# Altium PCB PROC114E3_BRD.PcbDoc (part 3 of 18) (continued)
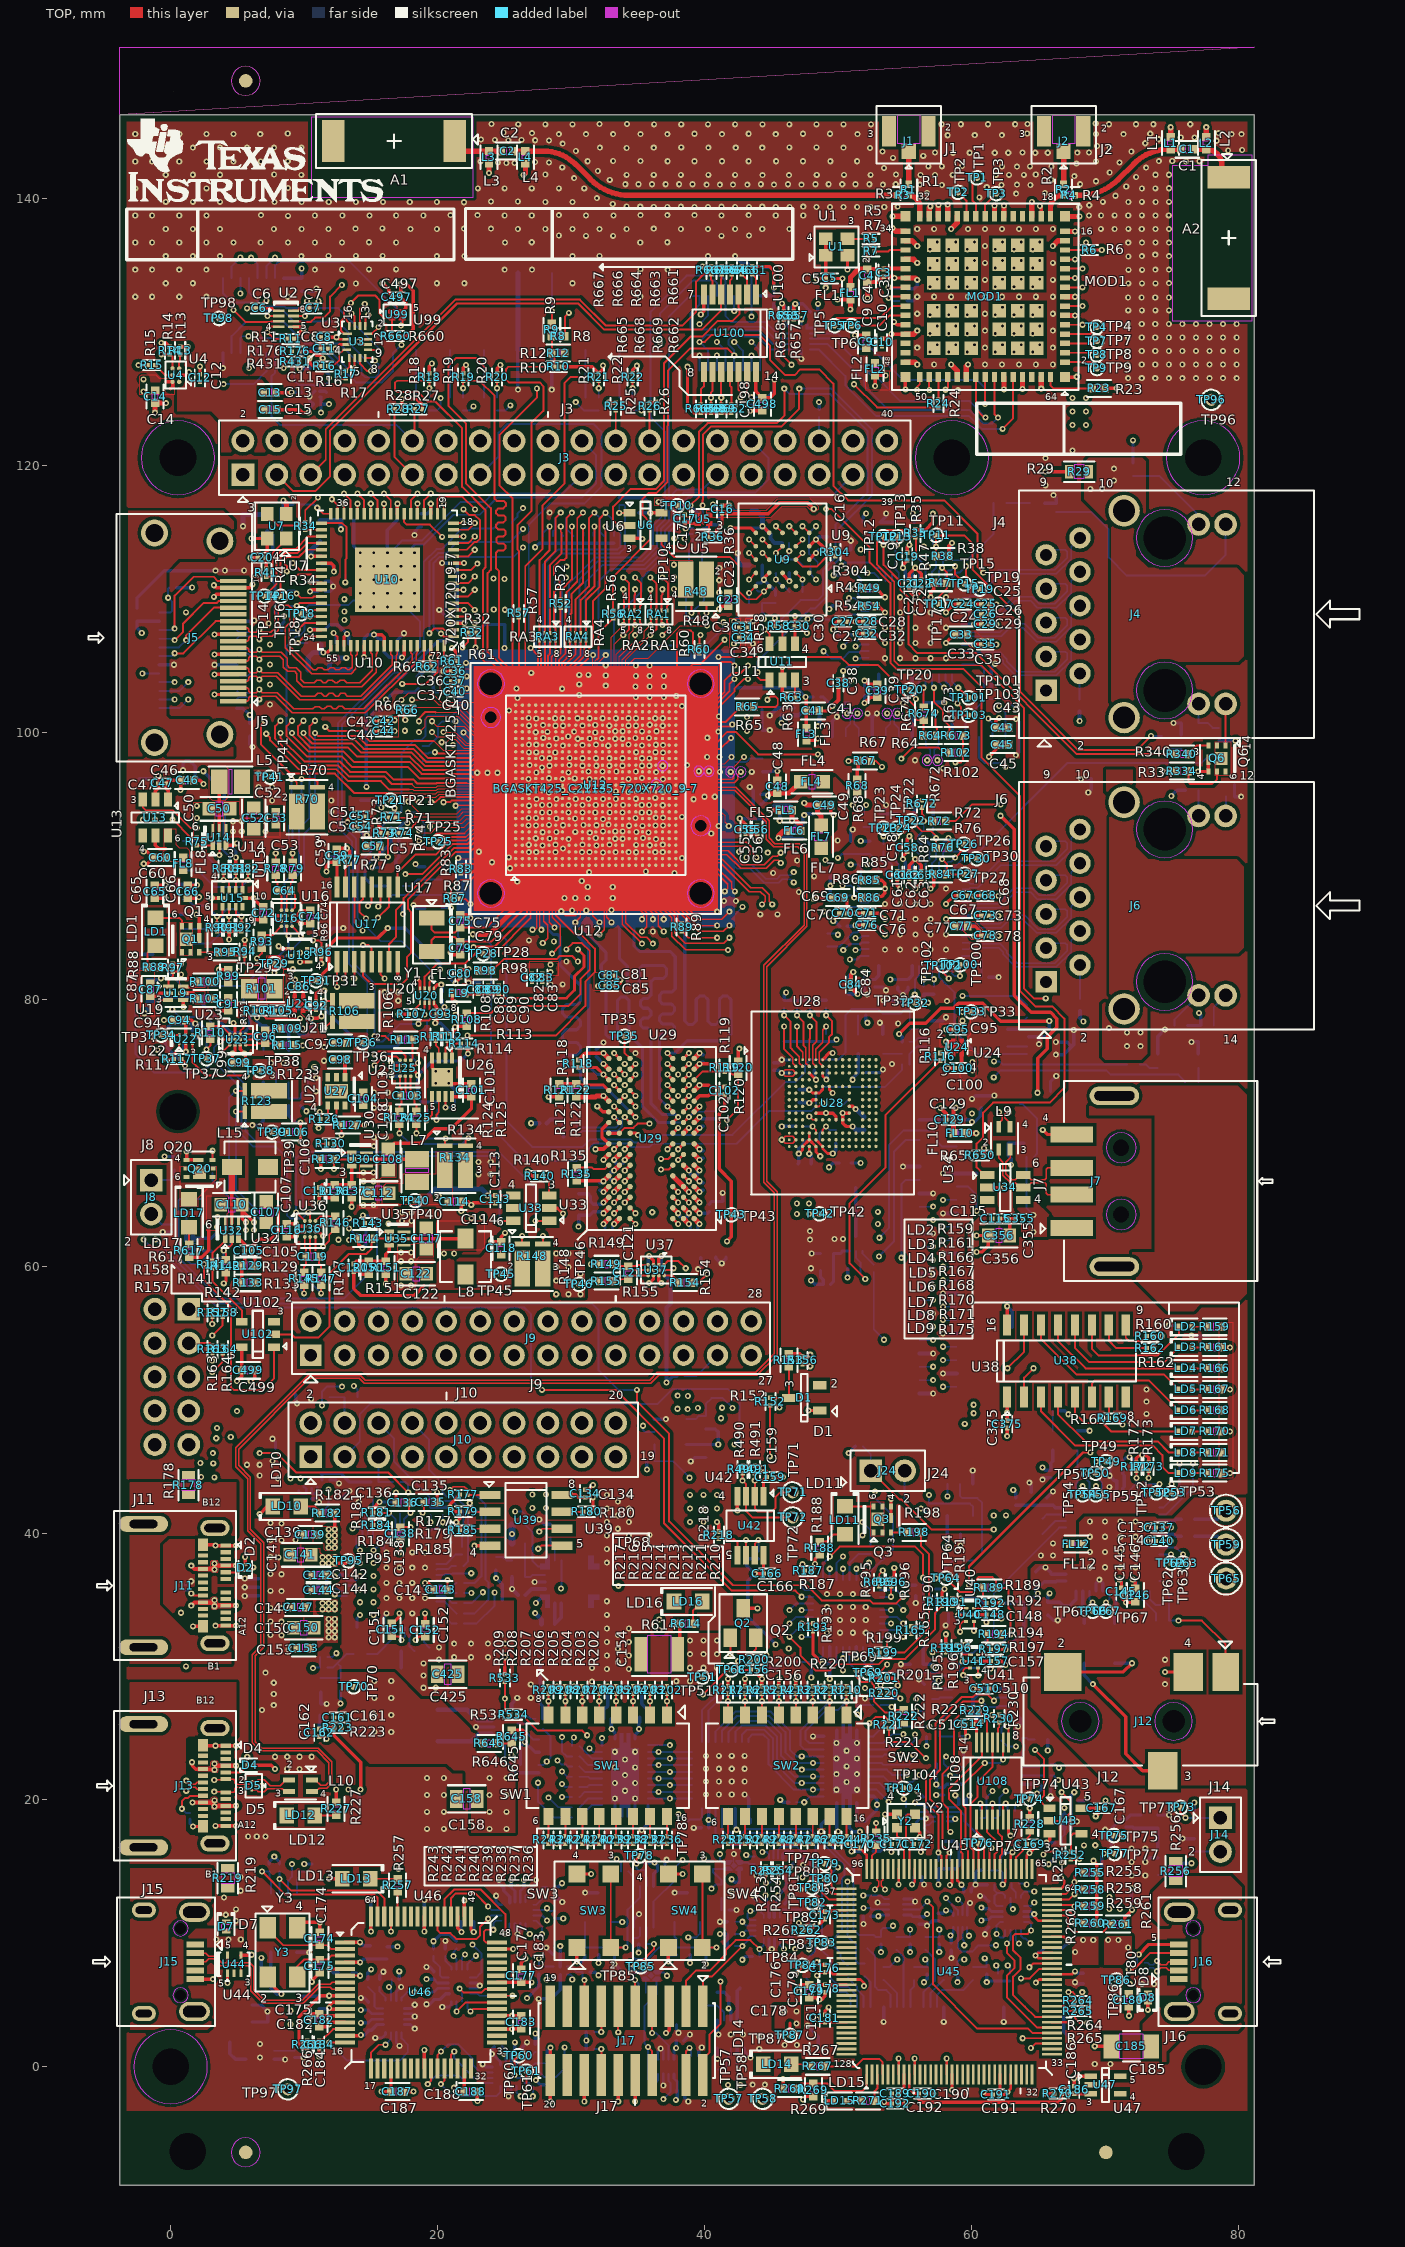
[diagram p0: TOP view]
## Footprints (in the part's own frame and the unit in brackets; to place one, negate y for a bottom-side part, rotate by r counter-clockwise, add the part's x,y. Pads: shape width x height; smd on the part's side, far side on the other; paste and mask are expansions set on the pad) (continued)
  silkscreen extent -280,-265 265,265, body extent -255,-255 255,255, height 150
BGASKT425_C21135_720X720_9-7 [mil] "BGASKT425_C21135_720X720_9-7"
  round 61 hole 66 unplated: ""(-309.55,-309.55) ""(-309.55,309.55) ""(309.55,-309.55) ""(309.55,309.55)
  round 29 hole 34 unplated: ""(-109.55,-309.55) ""(209.55,309.55)
  TOP region: -360,360 -360,-360 360,-360 360,360
  BOTTOM region: -410,410 -410,-410 410,-410 410,410
  silkscreen extent -370,-370 370,370, body extent -410,-410 410,410, height 150
CAP0201_0-5#1 [mil] "CAP0201_0-5"
  rect 14x13 smd: 1(-11.02,0) 2(11.02,0)
  silkscreen extent -25,-15 25,15
CAP0201_0-5#2 [mil] "CAP0201_0-5"
  rect 14x13 smd: 1(11.02,0) 2(-11.02,0)
  silkscreen extent -25,-15 25,15, body extent -10,-5 10,5, height 150
CAP0201_0-5#3 [mil] "CAP0201_0-5"
  oct 1x1 smd rot 45: 1(-11.02,0) 2(11.02,0)
  TOP region: 18.02,6.51 4.02,6.51 4.02,-6.51 18.02,-6.51
  TOP region: -4.02,6.51 -18.02,6.51 -18.02,-6.51 -4.02,-6.51
  silkscreen extent -25,-15 25,15, body extent -10,-5 10,5, height 150
CAP0201_0-5#4 [mil] "CAP0201_0-5"
  oct 1x1 smd rot 135: 1(-11.02,0) 2(11.02,0)
  TOP region: -4.02,6.51 -18.02,6.51 -18.02,-6.51 -4.02,-6.51
  TOP region: 18.02,6.51 4.02,6.51 4.02,-6.51 18.02,-6.51
  silkscreen extent -25,-15 25,15, body extent -10,-5 10,5, height 150
CAP0402_0-75#1 [mil] "CAP0402_0-75"
  rect 22x25 smd: 1(-19.29,0) 2(19.29,0)
  TOP keep-out region: -5,10 -5,-10 5,-10 5,10
  silkscreen extent -35,-25 35,25, body extent -20,-10 20,10, height 150
CAP0402_0-75#2 [mil] "CAP0402_0-75"
  rect 22x25 smd: 1(19.29,0) 2(-19.29,0)
  TOP keep-out region: 5,-10 5,10 -5,10 -5,-10
  silkscreen extent -35,-25 35,25, body extent -20,-10 20,10, height 150
CAP0603_1#1 [mil] "CAP0603_1"
  rect 37x40 smd: 1(-31.5,0) 2(31.5,0)
  TOP keep-out region: 10,-20 10,20 -10,20 -10,-20
  silkscreen extent -55,-35 55,35, body extent -35,-20 35,20, height 150
CAP0603_1#2 [mil] "CAP0603_1"
  rect 37x40 smd: 1(31.5,0) 2(-31.5,0)
  TOP keep-out region: 10,-20 10,20 -10,20 -10,-20
  silkscreen extent -55,-35 55,35, body extent -35,-20 35,20, height 150
CAP0805_1-5#1 [mil] "CAP0805_1-5"
  rect 37x53 smd: 1(31.5,0) 2(-31.5,0)
  TOP keep-out region: 10,-30 10,30 -10,30 -10,-30
  silkscreen extent -55,-40 55,40, body extent -45,-30 45,30, height 150
CAP0805_1-5#2 [mil] "CAP0805_1-5"
  rect 37x53 smd: 1(-31.5,0) 2(31.5,0)
  TOP keep-out region: -10,30 -10,-30 10,-30 10,30
  silkscreen extent -55,-40 55,40, body extent -45,-30 45,30, height 150
CAP1206_1-75#1 [mil] "CAP1206_1-75"
  rect 45x71 smd: 1(-59.06,0) 2(59.06,0)
  TOP keep-out region: 35,-35 35,35 -35,35 -35,-35
  silkscreen extent -25,-45 25,45, body extent -65,-35 65,35, height 150
CAP1206_1-75#2 [mil] "CAP1206_1-75"
  rect 45x71 smd: 1(59.06,0) 2(-59.06,0)
  TOP keep-out region: 35,35 35,-35 -35,-35 -35,35
  silkscreen extent -25,-45 25,45, body extent -65,-35 65,35, height 150
CAP1206_2 [mil] "CAP1206_2"
  rect 45x71 smd: 1(-59.06,0) 2(59.06,0)
  TOP keep-out region: -35,35 -35,-35 35,-35 35,35
  silkscreen extent -25,-45 25,45, body extent -65,-35 65,35, height 150
CAP1210_2-75#1 [mil] "CAP1210_2-75"
  rect 37x102 smd: 1(-55.12,0) 2(55.12,0)
  TOP keep-out region: -35,55 -35,-55 35,-55 35,55
  silkscreen extent -80,-65 80,65, body extent -65,-55 65,55, height 150
CAP1210_2-75#2 [mil] "CAP1210_2-75"
  rect 37x102 smd: 1(55.12,0) 2(-55.12,0)
  TOP keep-out region: 35,-55 35,55 -35,55 -35,-55
  silkscreen extent -80,-65 80,65, body extent -65,-55 65,55, height 150
CAPT7343D_3-25 [mil] "CAPT7343D_3-25"
  rect 93x96 smd: 1(-122.05,0) 2(122.05,0)
  silkscreen extent -210,-100 160,100, body extent -150,-90 150,90, height 150
CON_19X1_10029449-001RLF_S_R_S_6-3 [mil] "CON_19X1_10029449-001RLF_S_R_S_6-3"
  rect 13x77 smd: 1(187.01,164.76) 2(167.32,164.76) 3(147.64,164.76) 4(127.95,164.76) 5(108.27,164.76) 6(88.58,164.76) 7(68.9,164.76) 8(49.21,164.76) 9(29.53,164.76) 10(9.84,164.76) 11(-9.84,164.76) 12(-29.53,164.76) 13(-49.21,164.76) 14(-68.9,164.76) 15(-88.58,164.76) 16(-108.27,164.76) 17(-127.95,164.76) 18(-147.64,164.76) 19(-167.32,164.76)
  round 79 hole 52: 20(285.43,125.38) 21(-285.43,125.38) 22(309.05,-67.53) 23(-309.05,-67.53)
  silkscreen extent -365,-263 365,236
CON_AV4_SJ-43514-SMT_S_R_S_5-1 [mil] "CON_AV4_SJ-43514-SMT_S_R_S_5-1"
  rect 111x79 smd: 1(145.67,-251.38)
  rect 111x111 smd: 2(145.67,228.94)
  rect 111x87 smd: 3(-145.67,-66.34) 4(145.67,-141.14)
  round 61 hole 66 unplated: ""(0,177.76) ""(0,-97.84)
  Multi-Layer keep-out region: 0,-153.31 14.36,-151.42 27.74,-145.88 39.23,-137.07 48.05,-125.57 53.59,-112.19 55.48,-97.84 53.59,-83.48 48.05,-70.1 48.05,-70.1 39.23,-58.61 27.74,-49.79 14.36,-44.25 0,-42.36 -14.36,-44.25 -27.74,-49.79 -39.23,-58.61 -48.05,-70.1 -48.05,-70.1 -53.59,-83.48 -55.48,-97.84 -53.59,-112.19 -48.05,-125.57 -39.23,-137.07 -27.74,-145.88 -14.36,-151.42 0,-153.31
  Multi-Layer keep-out region: 0,122.28 14.36,124.17 27.74,129.71 39.23,138.53 48.05,150.02 53.59,163.4 55.48,177.76 53.59,192.11 48.05,205.49 48.05,205.49 39.23,216.99 27.74,225.8 14.36,231.34 0,233.23 -14.36,231.34 -27.74,225.8 -39.23,216.99 -48.05,205.49 -48.05,205.49 -53.59,192.11 -55.48,177.76 -53.59,163.4 -48.05,150.02 -39.23,138.53 -27.74,129.71 -14.36,124.17 0,122.28
  silkscreen extent -130,-395 235,345, body extent -120,-335 150,335, height 150
CON_BOX2X7_3020-14-0300-00_P_S_S_10-4 [mil] "CON_BOX2X7_3020-14-0300-00_P_S_S_10-4"
  rect 49x187 smd: 1(-300,-113.19) 2(-300,113.19) 3(-200,-113.19) 4(-200,113.19) 5(-100,-113.19) 6(-100,113.19) 7(0,-113.19) 8(0,113.19) 9(100,-113.19) 10(100,113.19) 11(200,-113.19) 12(200,113.19) 13(300,-113.19) 14(300,113.19)
  silkscreen extent -515,-240 515,195, body extent -505,-175 505,185, height 150
CON_FLEX1X15_1-1734248-5_S_S_S_7-7 [mil] "CON_FLEX1X15_1-1734248-5_S_S_S_7-7"
  rect 24x73 smd: 1A(-275.59,-71.82) 2A(-236.22,-71.82) 3A(-196.85,-71.82) 4A(-157.48,-71.82) 5A(-118.11,-71.82) 6A(-78.74,-71.82) 7A(-39.37,-71.82) 8A(0,-71.82) 9A(39.37,-71.82) 10A(78.74,-71.82) 11A(118.11,-71.82) 12A(157.48,-71.82) 13A(196.85,-71.82) 14A(236.22,-71.82) 15A(275.59,-71.82)
  rect 24x65 smd: 1B(-275.59,75.81) 2B(-236.22,75.81) 3B(-196.85,75.81) 4B(-157.48,75.81) 5B(-118.11,75.81) 6B(-78.74,75.81) 7B(-39.37,75.81) 8B(0,75.81) 9B(39.37,75.81) 10B(78.74,75.81) 11B(118.11,75.81) 12B(157.48,75.81) 13B(196.85,75.81) 14B(236.22,75.81) 15B(275.59,75.81)
  silkscreen extent -450,-136 450,59, body extent -440,-71 440,89, height 150
CON_FLEX1X40_FFC2A32-40-T_S_S_S_4-3 [mil] "CON_FLEX1X40_FFC2A32-40-T_S_S_S_4-3"
  rect 24x59 smd: 1(-383.86,-55.12) 2(-364.17,55.12) 3(-344.49,-55.12) 4(-324.8,55.12) 5(-305.12,-55.12) 6(-285.43,55.12) 7(-265.75,-55.12) 8(-246.06,55.12) 9(-226.38,-55.12) 10(-206.69,55.12) 11(-187.01,-55.12) 12(-167.32,55.12) 13(-147.64,-55.12) 14(-127.95,55.12) 15(-108.27,-55.12) 16(-88.58,55.12) 17(-68.9,-55.12) 18(-49.21,55.12) 19(-29.53,-55.12) 20(-9.84,55.12) 21(9.84,-55.12) 22(29.53,55.12) 23(49.21,-55.12) 24(68.9,55.12) 25(88.58,-55.12) 26(108.27,55.12) 27(127.95,-55.12) 28(147.64,55.12) 29(167.32,-55.12) 30(187.01,55.12) 31(206.69,-55.12) 32(226.38,55.12) 33(246.06,-55.12) 34(265.75,55.12) 35(285.43,-55.12) 36(305.12,55.12) 37(324.8,-55.12) 38(344.49,55.12) 39(364.17,-55.12) 40(383.86,55.12)
  rect 31x59 smd: SH1(-423.23,-55.12) SH2(-423.23,55.12) SH3(423.23,-55.12) SH4(423.23,55.12)
  silkscreen extent -550,-110 550,120, body extent -540,-75 540,45, height 150
CON_FLEX40X1_FH12A_S_R_S [mil] "CON_FLEX40X1_FH12A_S_R_S"
  rect 13x55 smd: 1(383.86,-119.63) 2(364.17,-119.63) 3(344.49,-119.63) 4(324.8,-119.63) 5(305.12,-119.63) 6(285.43,-119.63) 7(265.75,-119.63) 8(246.06,-119.63) 9(226.38,-119.63) 10(206.69,-119.63) 11(187.01,-119.63) 12(167.32,-119.63) 13(147.64,-119.63) 14(127.95,-119.63) 15(108.27,-119.63) 16(88.58,-119.63) 17(68.9,-119.63) 18(49.21,-119.63) 19(29.53,-119.63) 20(9.84,-119.63) 21(-9.84,-119.63) 22(-29.53,-119.63) 23(-49.21,-119.63) 24(-68.9,-119.63) 25(-88.58,-119.63) 26(-108.27,-119.63) 27(-127.95,-119.63) 28(-147.64,-119.63) 29(-167.32,-119.63) 30(-187.01,-119.63) 31(-206.69,-119.63) 32(-226.38,-119.63) 33(-246.06,-119.63) 34(-265.75,-119.63) 35(-285.43,-119.63) 36(-305.12,-119.63) 37(-324.8,-119.63) 38(-344.49,-119.63) 39(-364.17,-119.63) 40(-383.86,-119.63)
  rect 71x91 smd: 41(458.66,8.32) 42(-458.66,8.32)
  silkscreen extent -510,-195 528,216, body extent -485,-104 485,146, height 150
CON_JACK3_U-FL-R-SMT_P_S_S_1-3 [mil] "CON_JACK3_U-FL-R-SMT_P_S_S_1-3"
  rect 44x42 smd: 1(51.52,0)
  rect 89x42 smd: 2(-8.52,58.07) 3(-8.52,-58.07)
  TOP keep-out region: 26.48,-34 26.48,34 -53.52,34 -53.52,-34
  silkscreen extent -84,-95 101,95, body extent -74,-55 56,55, height 150
CON_MUSBB5_629105150521_S_R_S_2-7 [mil] "CON_MUSBB5_629105150521_S_R_S_2-7"
  rect 18x51 smd: 1(-51.18,98.27) 2(-25.59,98.27) 3(0,98.27) 4(25.59,98.27) 5(51.18,98.27)
  oval 57x91 hole 34 slot 68 at 90 deg: 6(-146.65,96.3) 7(146.65,96.3)
  oval 45x71 hole 22 slot 48 at 90 deg: 8(-152.56,-53.3) 9(152.56,-53.3)
  round 27 hole 32 unplated: ""(-98.42,54.97) ""(98.42,54.97)
  Multi-Layer keep-out region: 98.42,77.27 89.89,75.57 82.65,70.74 77.82,63.5 76.12,54.97 77.82,46.43 79.44,44 79.44,44 82.65,39.19 89.89,34.36 98.43,32.66 106.96,34.36 114.2,39.19 117.41,44 117.41,44 119.03,46.43 120.73,54.97 119.03,63.5 114.2,70.74 106.96,75.57 98.42,77.27
  Multi-Layer keep-out region: -98.43,77.27 -106.96,75.57 -114.2,70.74 -119.03,63.5 -120.73,54.97 -119.03,46.43 -117.41,44 -117.41,44 -114.2,39.19 -106.96,34.36 -98.43,32.66 -89.89,34.36 -82.65,39.19 -79.44,44 -79.44,44 -77.82,46.43 -76.12,54.97 -77.82,63.5 -82.65,70.74 -89.89,75.57 -98.43,77.27
  silkscreen extent -190,-203 190,177, body extent -155,-148 155,112, height 150
CON_RJ45-14_LPJG16314A4NL_S_R_T_13-6 [mil] "CON_RJ45-14_LPJG16314A4NL_S_R_T_13-6"
  rect 63x63 / inner round 63 / far side rect 63x63 hole 36: 1(-225,355)
  round 63 hole 36: 2(-175,255) 3(-125,355) 4(-75,255) 5(-25,355) 6(25,255) 7(75,355) 8(125,255) 9(175,355) 10(225,255)
  round 67 hole 40: 11(264.76,-95) 12(264.76,-175) 13(-264.76,-95) 14(-264.76,-175)
  round 93 hole 66: 15(-305,125) 16(305,125)
  round 121 hole 126 unplated: ""(-225,5) ""(225,5)
  Multi-Layer keep-out region: -225,-78.4 -208.73,-76.8 -193.08,-72.05 -178.66,-64.35 -166.03,-53.97 -155.65,-41.34 -147.95,-26.92 -143.2,-11.27 -141.6,5 -143.2,21.27 -147.95,36.92 -153.08,46.52 -153.08,46.52 -155.65,51.34 -166.03,63.97 -178.66,74.35 -193.08,82.05 -208.73,86.8 -225,88.4 -241.27,86.8 -256.92,82.05 -271.34,74.35 -283.97,63.97 -294.35,51.34 -296.92,46.52 -296.92,46.52 -302.05,36.92 -306.8,21.27 -308.4,5 -306.8,-11.27 -302.05,-26.92 -294.35,-41.34 -283.97,-53.97 -271.34,-64.35 -256.92,-72.05 -241.27,-76.8 -225,-78.4
  Multi-Layer keep-out region: 225,-78.4 241.27,-76.8 256.92,-72.05 271.34,-64.35 283.97,-53.97 294.35,-41.34 302.05,-26.92 306.8,-11.27 308.4,5 306.8,21.27 302.05,36.92 296.92,46.52 296.92,46.52 294.35,51.34 283.97,63.97 271.34,74.35 256.92,82.05 241.27,86.8 225,88.4 208.73,86.8 193.08,82.05 178.66,74.35 166.03,63.97 155.65,51.34 153.08,46.52 153.08,46.52 147.95,36.92 143.2,21.27 141.6,5 143.2,-11.27 147.95,-26.92 155.65,-41.34 166.03,-53.97 178.66,-64.35 193.08,-72.05 208.73,-76.8 225,-78.4
  silkscreen extent -390,-570 365,435
CON_SD9_MEM2051-00-195-00_S_R_S_2-1 [mil] "CON_SD9_MEM2051-00-195-00_S_R_S_2-1"
  rect 31x59 smd: 1(75.4,-144.01) 2(32.09,-128.27) 3(-11.22,-144.01) 4(-54.52,-151.89) 5(-97.83,-144.01) 6(-141.14,-151.89) 7(-184.44,-144.01) 8(-227.75,-144.01)
  rect 39x37 smd: 9(-141.14,292.4)
  rect 55x75 smd: SH1(258.86,-273.54) SH2(-258.85,-234.17)
  rect 51x55 smd: SH3(28.55,283.54) SH4(-195.86,283.54)
  TOP keep-out region: -247.04,54.02 95.48,54.02 95.48,144.57 -99.8,144.57 -99.8,226.06 -182.48,226.06 -182.48,144.57 -247.04,144.57
  silkscreen extent -296,-435 315,315, body extent -281,-305 279,305, height 150
CON_USBA4_629104151_S_R_S_7-4 [mil] "CON_USBA4_629104151_S_R_S_7-4"
  rect 47x126 smd: 1(-137.8,237.2) 2(-39.37,237.2) 3(39.37,237.2) 4(137.8,237.2)
  oval 55x146 hole 28 slot 118 at 90 deg: SH1(-251.97,111.22) SH2(251.97,111.22)
  round 43 hole 48 unplated: ""(-98.42,91.53) ""(98.42,91.53)
  Multi-Layer keep-out region: -98.43,47.15 -86.94,48.66 -76.23,53.1 -67.04,60.15 -59.99,69.34 -55.56,80.04 -54.04,91.53 -55.56,103.02 -59.99,113.72 -59.99,113.72 -67.04,122.91 -76.23,129.97 -86.94,134.4 -98.43,135.91 -109.91,134.4 -120.62,129.97 -129.81,122.91 -136.86,113.72 -136.86,113.72 -141.29,103.02 -142.81,91.53 -141.29,80.04 -136.86,69.34 -129.81,60.15 -120.62,53.1 -109.91,48.66 -98.43,47.15
  Multi-Layer keep-out region: 98.42,47.16 109.91,48.67 120.61,53.11 129.8,60.16 136.85,69.35 141.28,80.05 142.8,91.53 141.28,103.02 136.85,113.72 136.85,113.72 129.8,122.91 120.61,129.96 109.91,134.39 98.42,135.9 86.94,134.39 76.24,129.96 67.05,122.91 60,113.72 60,113.72 55.57,103.02 54.05,91.53 55.57,80.05 60,69.35 67.05,60.16 76.24,53.11 86.94,48.67 98.42,47.16
  silkscreen extent -295,-355 295,330, body extent -285,-300 285,250, height 150
CON_USBC24_2012670_S_R_S_3-9 [mil] "CON_USBC24_2012670_S_R_S_3-9"
  rect 12x30 smd: A1(-118.11,149.34) A2(-98.42,149.34) A3(-78.74,149.34) A4(-59.06,149.34) A5(-39.37,149.34) A6(-19.68,149.34) A7(19.68,149.34) A8(39.37,149.34) A9(59.06,149.34) A10(78.74,149.34) A11(98.42,149.34) A12(118.11,149.34) B2(88.58,82.42) B3(68.9,82.42) B4(49.21,82.42) B5(29.53,82.42) B6(9.84,82.42) B7(-9.84,82.42) B8(-29.53,82.42) B9(-49.21,82.42) B10(-68.9,82.42) B11(-88.58,82.42)
  rect 37x30 smd: B1(120.08,82.42) B12(-120.08,82.42)
  oval 47x87 hole 24 slot 62 at 90 deg: SH1(-170.08,117.45) SH2(170.08,117.45)
  oval 47x146 / inner oval 47x105 / far side oval 47x146 hole 24 slot 82 at 90 deg: SH3(181.89,-93.57) SH4(-181.89,-93.57)
  silkscreen extent -220,-230 220,195
DIO_DFN0201_0-4 [mil] "DIO_DFN0201_0-4"
  rect 9x15 smd: 1(-8.66,0) 2(8.66,0)
  silkscreen extent -30,-20 20,20
DIO_DFN0402_0-5 [mil] "DIO_DFN0402_0-5"
  rect 14x24 smd: 1(-13.39,0) 2(13.39,0)
  TOP keep-out region: -5,15 -5,-15 5,-15 5,15
  silkscreen extent -40,-25 25,25, body extent -20,-15 20,15, height 150
DSBGA4_15-74_30X30_0-5#1 [mil] "DSBGA4_15-74_30X30_0-5"
  round 11 smd: A1(-7.87,7.87) A2(7.87,7.87) B1(-7.87,-7.87) B2(7.87,-7.87)
  silkscreen extent -25,-25 25,34, body extent -15,-15 15,15, height 150
DSBGA4_15-74_30X30_0-5#2 [mil] "DSBGA4_15-74_30X30_0-5"
  round 11 smd: A1(7.87,-7.87) A2(-7.87,-7.87) B1(7.87,7.87) B2(-7.87,7.87)
  silkscreen extent -25,-25 35,25, body extent -15,-15 15,15, height 150
DSBGA6_19-68_40X60_0-5 [mil] "DSBGA6_19-68_40X60_0-5"
  round 13 smd: A1(-9.84,19.68) A2(9.84,19.68) B1(-9.84,0) B2(9.84,0) C1(-9.84,-19.68) C2(9.84,-19.68)
  silkscreen extent -45,-40 30,40, body extent -20,-30 20,30, height 150
DSBGA12_15-74_60X70_0-4#1 [mil] "DSBGA12_15-74_60X70_0-4"
  round 11 smd: A1(15.75,-23.62) A2(0,-23.62) A3(-15.75,-23.62) B1(15.75,-7.87) B2(0,-7.87) B3(-15.75,-7.87) C1(15.75,7.87) C2(0,7.87) C3(-15.75,7.87) D1(15.75,23.62) D2(0,23.62) D3(-15.75,23.62)
  silkscreen extent -40,-57 40,45, body extent -30,-35 30,35, height 150
DSBGA12_15-74_60X70_0-4#2 [mil] "DSBGA12_15-74_60X70_0-4"
  round 11 smd: A1(-15.75,23.62) A2(0,23.62) A3(15.75,23.62) B1(-15.75,7.87) B2(0,7.87) B3(15.75,7.87) C1(-15.75,-7.87) C2(0,-7.87) C3(15.75,-7.87) D1(-15.75,-23.62) D2(0,-23.62) D3(15.75,-23.62)
  silkscreen extent -53,-45 40,49, body extent -30,-35 30,35, height 150
EMIFIL_BLM15A_0402_0-6#1 [mil] "EMIFIL_BLM15A_0402_0-6"
  rect 24x24 smd: 1(-18.11,0) 2(18.11,0)
  TOP keep-out region: 5,-10 5,10 -5,10 -5,-10
  silkscreen extent -35,-25 35,25
EMIFIL_BLM15A_0402_0-6#2 [mil] "EMIFIL_BLM15A_0402_0-6"
  rect 24x24 smd: 1(18.11,0) 2(-18.11,0)
  TOP keep-out region: -5,-10 -5,10 5,10 5,-10
  silkscreen extent -35,-25 35,25, body extent -20,-10 20,10, height 150
EMIFIL_BLM15P_0402 [mil] "EMIFIL_BLM15P_0402"
  rect 20x28 smd: 1(-17.72,0) 2(17.72,0)
  silkscreen extent -45,-30 45,30
EMIFIL_BLM18K_0603_0-7 [mil] "EMIFIL_BLM18K_0603_0-7"
  rect 40x40 smd: 1(-33.46,0) 2(33.46,0)
  TOP keep-out region: -10,20 -10,-20 10,-20 10,20
  silkscreen extent -60,-35 60,35, body extent -35,-20 35,20, height 150
FBGA96_31-49_520X360_1-2 [mil] "FBGA96_31-49_520X360_1-2"
  round 16 smd: A1(-125.98,236.22) A2(-94.49,236.22) A3(-62.99,236.22) A7(62.99,236.22) A8(94.49,236.22) A9(125.98,236.22) B1(-125.98,204.72) B2(-94.49,204.72) B3(-62.99,204.72) B7(62.99,204.72) B8(94.49,204.72) B9(125.98,204.72) C1(-125.98,173.23) C2(-94.49,173.23) C3(-62.99,173.23) C7(62.99,173.23) C8(94.49,173.23) C9(125.98,173.23) D1(-125.98,141.73) D2(-94.49,141.73) D3(-62.99,141.73) D7(62.99,141.73) D8(94.49,141.73) D9(125.98,141.73) E1(-125.98,110.24) E2(-94.49,110.24) E3(-62.99,110.24) E7(62.99,110.24) E8(94.49,110.24) E9(125.98,110.24) F1(-125.98,78.74) F2(-94.49,78.74) F3(-62.99,78.74) F7(62.99,78.74) F8(94.49,78.74) F9(125.98,78.74) G1(-125.98,47.24) G2(-94.49,47.24) G3(-62.99,47.24) G7(62.99,47.24) G8(94.49,47.24) G9(125.98,47.24) H1(-125.98,15.75) H2(-94.49,15.75) H3(-62.99,15.75) H7(62.99,15.75) H8(94.49,15.75) H9(125.98,15.75) J1(-125.98,-15.75) J2(-94.49,-15.75) J3(-62.99,-15.75) J7(62.99,-15.75) J8(94.49,-15.75) J9(125.98,-15.75) K1(-125.98,-47.24) K2(-94.49,-47.24) K3(-62.99,-47.24) K7(62.99,-47.24) K8(94.49,-47.24) K9(125.98,-47.24) L1(-125.98,-78.74) L2(-94.49,-78.74) L3(-62.99,-78.74) L7(62.99,-78.74) L8(94.49,-78.74) L9(125.98,-78.74) M1(-125.98,-110.24) M2(-94.49,-110.24) M3(-62.99,-110.24) M7(62.99,-110.24) M8(94.49,-110.24) M9(125.98,-110.24) N1(-125.98,-141.73) N2(-94.49,-141.73) N3(-62.99,-141.73) N7(62.99,-141.73) N8(94.49,-141.73) N9(125.98,-141.73) P1(-125.98,-173.23) P2(-94.49,-173.23) P3(-62.99,-173.23) P7(62.99,-173.23) P8(94.49,-173.23) P9(125.98,-173.23) R1(-125.98,-204.72) R2(-94.49,-204.72) R3(-62.99,-204.72) R7(62.99,-204.72) R8(94.49,-204.72) R9(125.98,-204.72) T1(-125.98,-236.22) T2(-94.49,-236.22) T3(-62.99,-236.22) T7(62.99,-236.22) T8(94.49,-236.22) T9(125.98,-236.22)
  silkscreen extent -205,-270 218,298, body extent -180,-260 180,260, height 150
HDR_1X2_90120-0122_S_T_5-6 [mil] "HDR_1X2_90120-0122_S_T_5-6"
  rect 67x67 / inner round 67 / far side rect 67x67 hole 40: 1(50,0)
  round 67 hole 40: 2(-50,0)
  silkscreen extent -110,-60 110,80, body extent -100,-50 100,50, height 150
HDR_2X5_PEC05DAAN_S_T_8-6 [mil] "HDR_2X5_PEC05DAAN_S_T_8-6"
  rect 67x67 / inner round 67 / far side rect 67x67 hole 40: 1(-200,-50)
  round 67 hole 40: 2(-200,50) 3(-100,-50) 4(-100,50) 5(0,-50) 6(0,50) 7(100,-50) 8(100,50) 9(200,-50) 10(200,50)
  silkscreen extent -270,-130 270,110, body extent -260,-100 260,100, height 150
HDR_2X10_FTR-110-51-D-06_S_S_8-7 [mil] "HDR_2X10_FTR-110-51-D-06_S_S_8-7"
  rect 28x123 smd: 1(-225,-101.48) 2(-225,101.48) 3(-175,-101.48) 4(-175,101.48) 5(-125,-101.48) 7(-75,-101.48) 8(-75,101.48) 9(-25,-101.48) 10(-25,101.48) 11(25,-101.48) 12(25,101.48) 13(75,-101.48) 14(75,101.48) 15(125,-101.48) 16(125,101.48) 17(175,-101.48) 18(175,101.48) 19(225,-101.48) 20(225,101.48)
  silkscreen extent -260,-190 260,190, body extent -250,-100 250,100, height 150
HDR_2X10_PREC010DAAN_S_T_8-4 [mil] "HDR_2X10_PREC010DAAN_S_T_8-4"
  rect 67x67 / inner round 67 / far side rect 67x67 hole 40: 1(-450,-50)
  round 67 hole 40: 2(-450,50) 3(-350,-50) 4(-350,50) 5(-250,-50) 6(-250,50) 7(-150,-50) 8(-150,50) 9(-50,-50) 10(-50,50) 11(50,-50) 12(50,50) 13(150,-50) 14(150,50) 15(250,-50) 16(250,50) 17(350,-50) 18(350,50) 19(450,-50) 20(450,50)
  silkscreen extent -515,-130 515,140, body extent -505,-100 505,100, height 150
HDR_2X20_PEC20DAAN_S_T_8-6 [mil] "HDR_2X20_PEC20DAAN_S_T_8-6"
  rect 67x67 / inner round 67 / far side rect 67x67 hole 40: 1(-950,-50)
  round 67 hole 40: 2(-950,50) 3(-850,-50) 4(-850,50) 5(-750,-50) 6(-750,50) 7(-650,-50) 8(-650,50) 9(-550,-50) 10(-550,50) 11(-450,-50) 12(-450,50) 13(-350,-50) 14(-350,50) 15(-250,-50) 16(-250,50) 17(-150,-50) 18(-150,50) 19(-50,-50) 20(-50,50) 21(50,-50) 22(50,50) 23(150,-50) 24(150,50) 25(250,-50) 26(250,50) 27(350,-50) 28(350,50) 29(450,-50) 30(450,50) 31(550,-50) 32(550,50) 33(650,-50) 34(650,50) 35(750,-50) 36(750,50) 37(850,-50) 38(850,50) 39(950,-50) 40(950,50)
  silkscreen extent -1020,-130 1020,135, body extent -1010,-100 1010,100, height 150
HDR_14X2_100_S_T [mil] "HDR_14X2_100_S_T"
  rect 63x63 / inner round 63 / far side rect 63x63 hole 36: 1(650,50)
  round 63 hole 36: 2(650,-50) 3(550,50) 4(550,-50) 5(450,50) 6(450,-50) 7(350,50) 8(350,-50) 9(250,50) 10(250,-50) 11(150,50) 12(150,-50) 13(50,50) 14(50,-50) 15(-50,50) 16(-50,-50) 17(-150,50) 18(-150,-50) 19(-250,50) 20(-250,-50) 21(-350,50) 22(-350,-50) 23(-450,50) 24(-450,-50) 25(-550,50) 26(-550,-50) 27(-650,50) 28(-650,-50)
  silkscreen extent -705,-125 705,130, body extent -695,-95 695,95, height 150
IND4_DLW21H_90X60_SMD_1-4 [mil] "IND4_DLW21H_90X60_SMD_1-4"
  rect 35x14 smd: 1(-33.46,-16.73) 2(33.46,-16.73) 3(33.46,16.73) 4(-33.46,16.73)
  silkscreen extent -45,-58 45,40, body extent -45,-30 45,30, height 150
IND0402_0-6 [mil] "IND0402_0-6"
  rect 24x24 smd: 1(-18.11,0) 2(18.11,0)
  TOP keep-out region: -5,-10 5,-10 5,10 -5,10
  silkscreen extent -35,-25 35,25, body extent -20,-10 20,10, height 150
IND0603#1 [mil] "IND0603"
  rect 36x40 smd: 1(-31.5,0) 2(31.5,0)
  TOP keep-out region: -10,-20 -10,20 10,20 10,-20
  silkscreen extent -55,-35 55,35
IND0603#2 [mil] "IND0603"
  rect 36x40 smd: 1(31.5,0) 2(-31.5,0)
  TOP keep-out region: 10,20 10,-20 -10,-20 -10,20
  silkscreen extent -55,-35 55,35, body extent -35,-20 35,20, height 150
IND0806_1-2#1 [mil] "IND0806_1-2"
  rect 48x71 smd: 1(-33.46,0) 2(33.46,0)
  TOP keep-out region: 5,-35 5,35 -5,35 -5,-35
  silkscreen extent -65,-45 65,45, body extent -45,-35 45,35, height 150
IND0806_1-2#2 [mil] "IND0806_1-2"
  rect 48x71 smd: 1(33.46,0) 2(-33.46,0)
  TOP keep-out region: 5,-35 5,35 -5,35 -5,-35
  silkscreen extent -65,-45 65,45, body extent -45,-35 45,35, height 150
IND_1277AS-H_130X110_SMD_1-2 [mil] "IND_1277AS-H_130X110_SMD_1-2"
  rect 30x98 smd: 1(-48.23,0) 2(48.23,0)
  silkscreen extent -75,-65 75,65, body extent -65,-55 65,55, height 150
IND_IHLP1212AE-11_130X130_SMD_1-5 [mil] "IND_IHLP1212AE-11_130X130_SMD_1-5"
  rect 59x47 smd: 1(-53.15,0) 2(53.15,0)
  silkscreen extent -75,-75 75,75, body extent -65,-65 65,65, height 150
IND_XAL6060_260X270_SMD_6-1 [mil] "IND_XAL6060_260X270_SMD_6-1"
  rect 56x217 smd: 1(-79.53,0) 2(79.53,0)
  silkscreen extent -140,-145 140,145, body extent -130,-135 130,135, height 150
IND_XFL4020_170X170_SMD_2-1 [mil] "IND_XFL4020_170X170_SMD_2-1"
  rect 39x134 smd: 1(-46.65,0) 2(46.65,0)
  silkscreen extent -95,-95 95,95, body extent -85,-85 85,85, height 150
LED_150040GS73220_40X20_SMD_0-4 [mil] "LED_150040GS73220_40X20_SMD_0-4"
  rect 16x18 smd: 1(-19.68,0) 2(19.68,0)
  silkscreen extent -45,-25 35,25
LED_150080VS75000_80X50_SMD_0-8 [mil] "LED_150080VS75000_80X50_SMD_0-8"
  rect 43x47 smd: 1(-41.34,0) 2(41.34,0)
  silkscreen extent -80,-40 70,40, body extent -40,-25 40,25, height 150
LQFP64_19-68_390X390_1-6 [mil] "LQFP64_19-68_390X390_1-6"
  rect 59x12 smd: 1(-224.41,147.64) 2(-224.41,127.95) 3(-224.41,108.27) 4(-224.41,88.58) 5(-224.41,68.9) 6(-224.41,49.21) 7(-224.41,29.53) 8(-224.41,9.84) 9(-224.41,-9.84) 10(-224.41,-29.53) 11(-224.41,-49.21) 12(-224.41,-68.9) 13(-224.41,-88.58) 14(-224.41,-108.27) 15(-224.41,-127.95) 16(-224.41,-147.64) 33(224.41,-147.64) 34(224.41,-127.95) 35(224.41,-108.27) 36(224.41,-88.58) 37(224.41,-68.9) 38(224.41,-49.21) 39(224.41,-29.53) 40(224.41,-9.84) 41(224.41,9.84) 42(224.41,29.53) 43(224.41,49.21) 44(224.41,68.9) 45(224.41,88.58) 46(224.41,108.27) 47(224.41,127.95) 48(224.41,147.64)
  rect 12x59 smd: 17(-147.64,-224.41) 18(-127.95,-224.41) 19(-108.27,-224.41) 20(-88.58,-224.41) 21(-68.9,-224.41) 22(-49.21,-224.41) 23(-29.53,-224.41) 24(-9.84,-224.41) 25(9.84,-224.41) 26(29.53,-224.41) 27(49.21,-224.41) 28(68.9,-224.41) 29(88.58,-224.41) 30(108.27,-224.41) 31(127.95,-224.41) 32(147.64,-224.41) 49(147.64,224.41) 50(127.95,224.41) 51(108.27,224.41) 52(88.58,224.41) 53(68.9,224.41) 54(49.21,224.41) 55(29.53,224.41) 56(9.84,224.41) 57(-9.84,224.41) 58(-29.53,224.41) 59(-49.21,224.41) 60(-68.9,224.41) 61(-88.58,224.41) 62(-108.27,224.41) 63(-127.95,224.41) 64(-147.64,224.41)
  silkscreen extent -280,-280 280,280, body extent -195,-195 195,195, height 150
MOD100_WL1831M_530X530 [mil] "MOD100_WL1831M_530X530"
  rect 30x30 smd: 1(-235.24,237.2) 17(-235.24,-237.2) 33(235.24,-237.2) 49(235.24,237.2)
  rect 30x16 smd: 2(-235.24,192.91) 3(-235.24,165.35) 4(-235.24,137.8) 5(-235.24,110.24) 6(-235.24,82.68) 7(-235.24,55.12) 8(-235.24,27.56) 9(-235.24,0) 10(-235.24,-27.56) 11(-235.24,-55.12) 12(-235.24,-82.68) 13(-235.24,-110.24) 14(-235.24,-137.8) 15(-235.24,-165.35) 16(-235.24,-192.91) 34(235.24,-192.91) 35(235.24,-165.35) 36(235.24,-137.8) 37(235.24,-110.24) 38(235.24,-82.68) 39(235.24,-55.12) 40(235.24,-27.56) 41(235.24,0) 42(235.24,27.56) 43(235.24,55.12) 44(235.24,82.68) 45(235.24,110.24) 46(235.24,137.8) 47(235.24,165.35) 48(235.24,192.91)
  rect 16x30 smd: 18(-192.91,-237.2) 19(-165.35,-237.2) 20(-137.8,-237.2) 21(-110.24,-237.2) 22(-82.68,-237.2) 23(-55.12,-237.2) 24(-27.56,-237.2) 25(0,-237.2) 26(27.56,-237.2) 27(55.12,-237.2) 28(82.68,-237.2) 29(110.24,-237.2) 30(137.8,-237.2) 31(165.35,-237.2) 32(192.91,-237.2) 50(192.91,237.2) 51(165.35,237.2) 52(137.8,237.2) 53(110.24,237.2) 54(82.68,237.2) 55(55.12,237.2) 56(27.56,237.2) 57(0,237.2) 58(-27.56,237.2) 59(-55.12,237.2) 60(-82.68,237.2) 61(-110.24,237.2) 62(-137.8,237.2) 63(-165.35,237.2) 64(-192.91,237.2)
  rect 40x40 smd: G1(-151.57,151.57) G2(-151.57,96.46) G3(-151.57,41.34) G4(-151.57,-41.34) G5(-151.57,-96.46) G6(-151.57,-151.57) G7(-96.46,151.57) G8(-96.46,96.46) G9(-96.46,41.34) G10(-96.46,-41.34) G11(-96.46,-96.46) G12(-96.46,-151.57) G13(-41.34,151.57) G14(-41.34,96.46) G15(-41.34,41.34) G16(-41.34,-41.34) G17(-41.34,-96.46) G18(-41.34,-151.57) G19(41.34,151.57) G20(41.34,96.46) G21(41.34,41.34) G22(41.34,-41.34) G23(41.34,-96.46) G24(41.34,-151.57) G25(96.46,151.57) G26(96.46,96.46) G27(96.46,41.34) G28(96.46,-41.34) G29(96.46,-96.46) G30(96.46,-151.57) G31(151.57,151.57) G32(151.57,96.46) G33(151.57,41.34) G34(151.57,-41.34) G35(151.57,-96.46) G36(151.57,-151.57)
  silkscreen extent -275,-275 275,290
MSOP8_25-59_125X125_1-1 [mil] "MSOP8_25-59_125X125_1-1"
  rect 57x18 smd: 1(-86.61,38.39) 2(-86.61,12.8) 3(-86.61,-12.8) 4(-86.61,-38.39) 5(86.61,-38.39) 6(86.61,-12.8) 7(86.61,12.8) 8(86.61,38.39)
  silkscreen extent -92,-75 45,75, body extent -65,-65 65,65, height 150
OSC4_ASDK_105X85_SMD [mil] "OSC4_ASDK_105X85_SMD"
  rect 40x36 smd: 1(-31.99,-24.11) 2(31.99,-24.11) 3(31.99,24.11) 4(-31.99,24.11)
  silkscreen extent -79,-60 65,60
OSC4_ECS-2520MV_100X80_SMD_0-9 [mil] "OSC4_ECS-2520MV_100X80_SMD_0-9"
  rect 35x31 smd: 1(-36.42,-28.54) 2(36.42,-28.54) 3(36.42,28.54) 4(-36.42,28.54)
  silkscreen extent -90,-60 70,60, body extent -50,-40 50,40, height 150
OSC4_KC2520B_100X80_SMD_0-8 [mil] "OSC4_KC2520B_100X80_SMD_0-8"
  rect 41x37 smd: 1(-36.42,-28.54) 2(36.42,-28.54) 3(36.42,28.54) 4(-36.42,28.54)
  silkscreen extent -88,-65 70,65, body extent -50,-40 50,40, height 150